# Altium PCB PCB1.PcbDoc
Units mm, origin at the board's own origin, x right, y up, seen from the top; angles counter-clockwise.
Board outline 65.2 x 84.91 mm, 2 copper layers (Top Layer, Bottom Layer); 57 components, 56 nets, 301 pads, 181 vias.
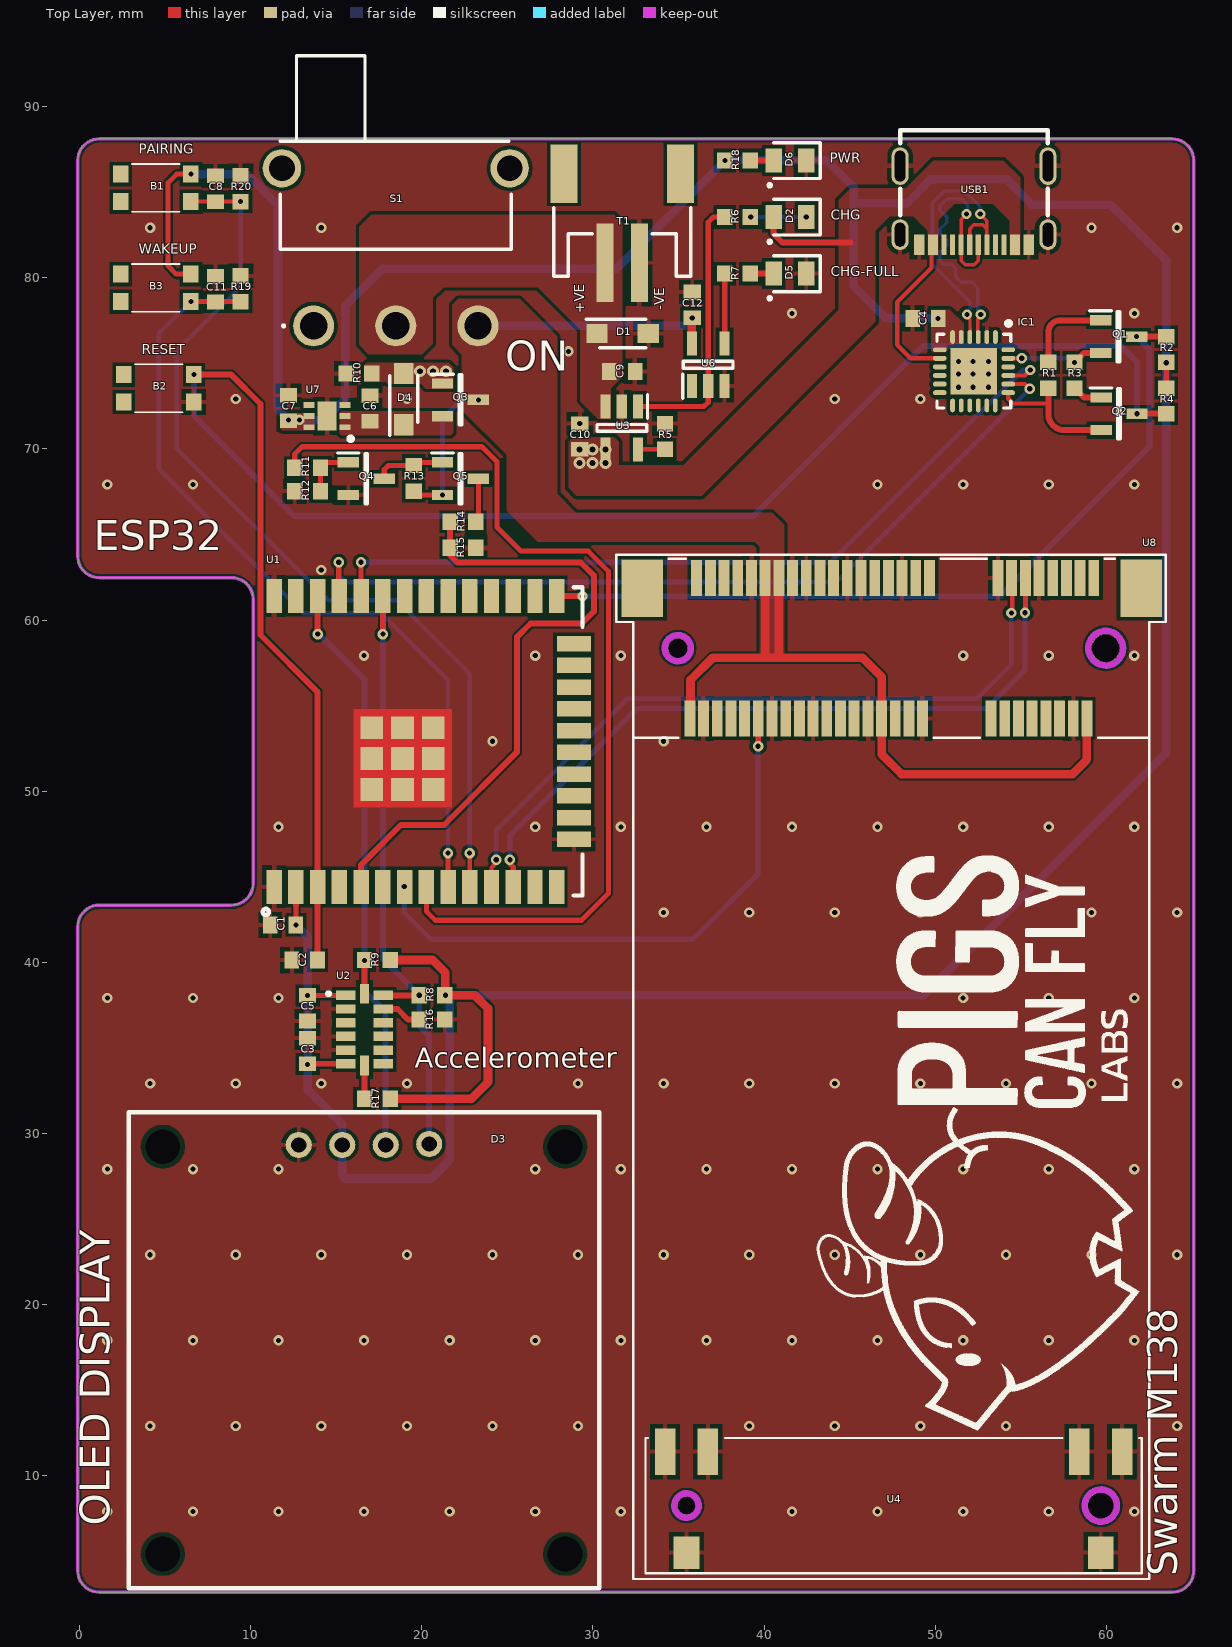
[diagram p0: Top Layer view]
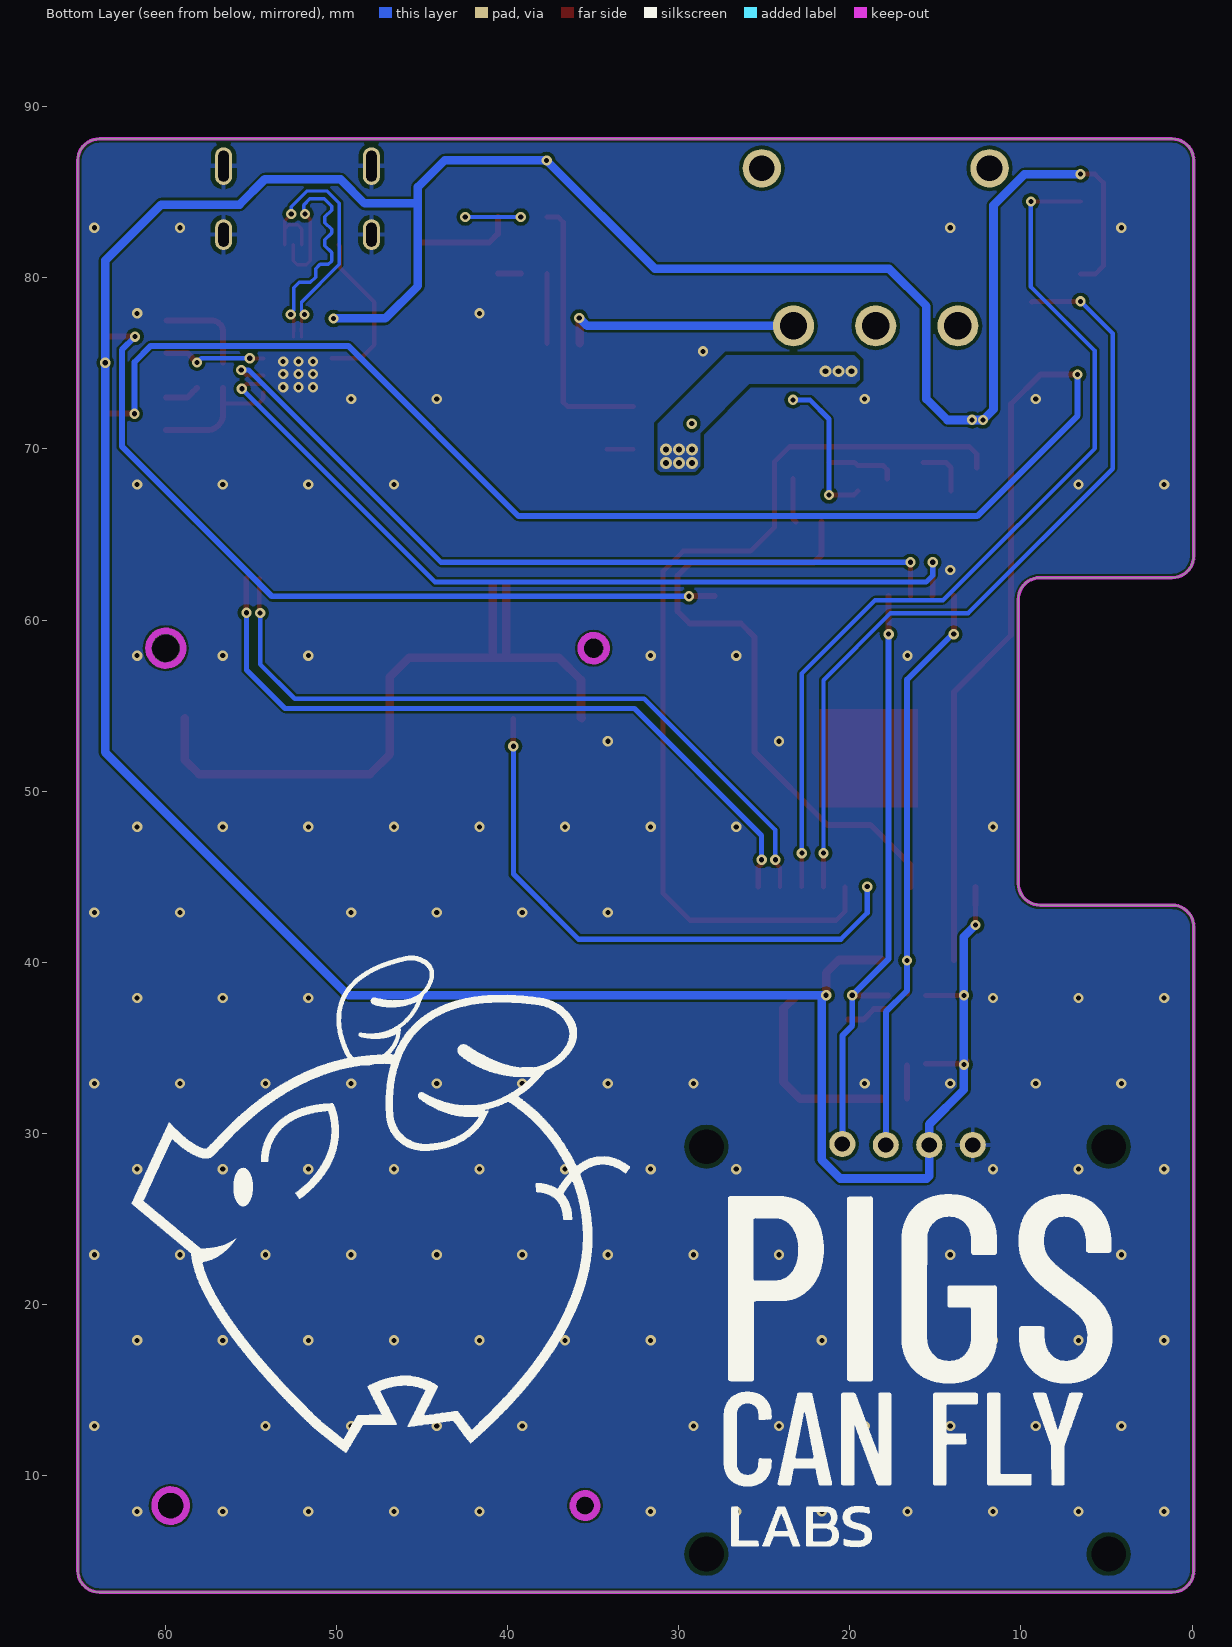
[diagram p1: Bottom Layer view, seen from below]
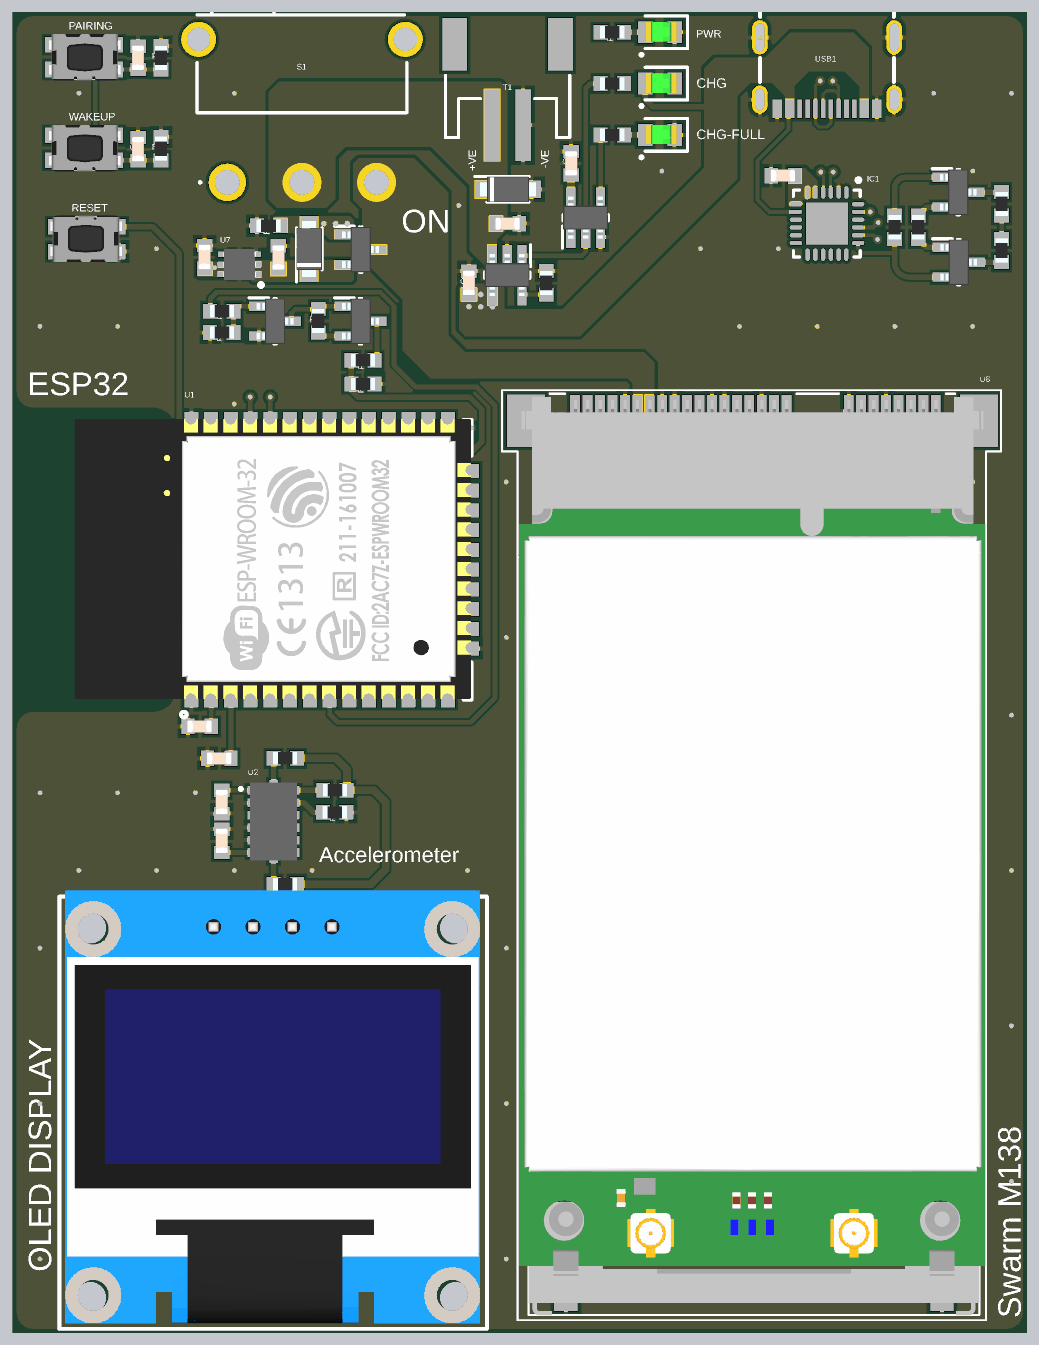
[diagram p2: 3D render of the assembled board from above, using the file's embedded part models]

## Layer stack, top to bottom
Top Solder: solder mask 0.0102, Solder Resist, Dk 3.5
Top Layer: signal copper 0.0356
Dielectric 1: dielectric 0.32, FR-4, Dk 4.8
Bottom Layer: signal copper 0.0356
Bottom Solder: solder mask 0.0102, Solder Resist, Dk 3.5

## Board outline
-0.1,4.472 ccw(c1.17,4.472) 1.17,3.202 63.83,3.202 ccw(c63.83,4.472) 65.1,4.472 65.1,86.843 ccw(c63.83,86.843) 63.83,88.113 1.17,88.113 ccw(c1.17,86.843) -0.1,86.843 -0.1,63.745 ccw(c1.17,63.745) 1.17,62.475 8.88,62.475 cw(c8.88,61.205) 10.15,61.205 10.15,44.62 cw(c8.88,44.62) 8.88,43.35 1.17,43.35 ccw(c1.17,42.08) -0.1,42.08

## Design rules (kind name [scope] priority, off if disabled: settings)
Clearance [All] p1: gap=0.2 ignorepadtopadclearanceinfootprint=FALSE except(0.127: Arc-Arc Arc-Track Arc-SMDPad Arc-Fill Arc-Poly Arc-Region Arc-Text Track-Track Track-SMDPad Track-Fill Track-Poly Track-Region Track-Text SMDPad-SMDPad SMDPad-Text THPad-Text Via-Text Fill-Text Poly-Text Region-Text Text-Text; 0.254: Arc-Hole Track-Hole SMDPad-Hole THPad-Hole Via-Hole Fill-Hole Poly-Hole Region-Hole Text-Hole)
ComponentClearance [All] p1: gap=0.001 collisioncheckmode=3 verticalgap=0.254 showdistances=FALSE
DiffPairsRouting [All] p1: maxlimit=0.254 minlimit=0.25 mostfreqgap=0.254 toplayer_minwidth=0.2 toplayer_maxwidth=0.381 toplayer_prefwidth=0.254 bottomlayer_minwidth=0.2 bottomlayer_maxwidth=0.381 bottomlayer_prefwidth=0.254 maxuncoupledlength=12.7
HoleSize [All] p1: absolutevalues=TRUE maxlimit=6.3 minlimit=0.3 maxpercent=80.000 minpercent=20.000
HoleToHoleClearance [All] p1: gap=0.5 allowstackedmicrovias=TRUE
MinimumSolderMaskSliver [All] p1: minsoldermaskwidth=0.2
PlaneClearance [All] p1: clearance=0.127
PolygonConnect PolygonConnect_1 [All vs IsNamedPolygon('IN_L01_P001') Or IsNamedPolygon('VBAT_IN_L01_P006') Or IsNamedPolygon('VBAT_L01_P003') Or IsNamedPolygon('VBUS_L01_P002')  Or IsNamedPolygon('VBUS_L01_P010') or IsNamedPolygon('+3V3_L01_P014')] p1: connectstyle=Direct reliefconductorwidth=0.254 reliefentries=4 polygonreliefangle="90 Angle" airgapwidth=0.254
PolygonConnect [All] p2: thpad.connectstyle=Relief thpad.reliefconductorwidth=0.254 thpad.reliefentries=4 thpad.polygonreliefangle="90 Angle" thpad.airgapwidth=0.254 smdpad.connectstyle=Relief smdpad.reliefconductorwidth=0.254 smdpad.reliefentries=4 smdpad.polygonreliefangle="90 Angle" smdpad.airgapwidth=0.254 via.connectstyle=Direct via.reliefconductorwidth=0.254 via.reliefentries=4 via.polygonreliefangle="90 Angle" via.airgapwidth=0.254
RoutingVias [All] p1: holewidth=0.2 width=0.45 viastyle="Through Hole" minholewidth=0.3 minwidth=0.5 maxholewidth=5 maxwidth=8
SilkToSilkClearance [All] p1: silktosilkclearance=0
SilkToSolderMaskClearance [IsPad] p1: minsilkscreentomaskgap=0 clearancetoexposedcopper=TRUE
SolderMaskExpansion [All] p1: expansion=0.05 istentingtop=FALSE
Width [All] p1: maxlimit=10 minlimit=0.17 preferedwidth=0.3 minimp=50.000000 maximp=50.000000 favimp=50.000000
22 further rules are at their usual default settings.

## Classes and differential pairs
differential pair de: +D+_P -D-_N

## Components (designator, comment, footprint, x,y, rotation, side; value= is the part's Value field where it differs from the comment)
B1 "Pairing Button" KMR221NGLFS 4.461,85.25 r180 top
B2 "Reset Button" KMR221NGLFS 4.638,73.54 r0 top
B3 "Wakeup Button" KMR221NGLFS 4.461,79.408 r180 top
C1 "CAPC1608N-0.1UF" "0603 Capacitor" 11.895,42.188 r0 top value=0.1uf
C2 "CAPC1608N-0.1UF" "0603 Capacitor" 13.157,40.132 r0 top value=0.1uf
C3 "CAPC1608N-0.1UF" "0603 Capacitor" 13.325,34.825 r270 top value=10uf
C4 "CAPC1608N-0.1UF" "0603 Capacitor" 49.425,77.625 r180 top value=0.1uf
C5 "100n" "0603 Capacitor" 13.325,37.325 r270 top
C6 "1µF" "0603 Capacitor" 16.966,72.36 r90 top
C7 "10u" "0603 Capacitor" 12.217,72.387 r90 top value=1u
C8 "100n" "0603 Capacitor" 7.94,85.2 r90 top
C9 "10u" "0603 Capacitor" 31.711,74.531 r0 top value=1u
C10 "1u" "0603 Capacitor" 29.226,70.724 r90 top value=0.1u
C11 "100n" "0603 Capacitor" 7.94,79.332 r90 top
C12 "0.1uF" "0603 Capacitor" 35.804,78.417 r90 top value=0.1u
D1 "MBR120" SODFL3616X98N 31.736,76.741 r0 top
D2 "ORANGE" LED 41.595,83.37 r270 top
D3 "0.96\" i2c Olded Display" "i2c display" 15.967,17.169 r0 top
D4 "MBR120" SODFL3616X98N 18.948,72.912 r90 top
D5 "ORANGE" LED 41.595,80.068 r270 top value=GREEN
D6 "ORANGE" LED 41.595,86.672 r270 top value=RED
IC1 "CP2104-F03-GMR" cp2104 52.248,74.539 r180 top
Q1 "MMBT2222ALT1G" SOT96P237X111-3N 60.709,76.558 r0 top
Q2 "MMBT2222ALT1G" SOT96P237X111-3N 60.736,72.054 r0 top
Q3 "DMG3415U" SOT96P237X111-3N 22.258,72.865 r0 top
Q4 "2N7002,215" SOT96P237X111-3N 16.755,68.257 r0 top
Q5 "BSS48" SOT96P237X111-3N 22.258,68.257 r0 top
R1 "10k 0603" RES0603 56.607,74.302 r270 top
R2 "10k 0603" RES0603 63.494,75.808 r90 top
R3 "10k 0603" RES0603 58.131,74.302 r90 top
R4 "10k 0603" RES0603 63.494,72.804 r270 top
R5 "10K" RES0603 34.204,70.724 r90 top value=1.5K
R6 "1K" RES0603 38.446,83.545 r180 top
R7 "1K" RES0603 38.446,80.243 r180 top
R8 "4k7 0603" RES0603 20.602,38.082 r180 top value=4k7
R9 "4k7 0603" RES0603 17.403,40.139 r180 top value=4k7
R10 "100K" RES0603 16.331,74.404 r0 top
R11 "4K7" RES0603 13.331,68.901 r180 top
R12 "100K" RES0603 13.331,67.53 r180 top
R13 "100K" RES0603 19.531,68.28 r90 top
R14 "330K" RES0603 22.406,65.743 r180 top value=100K
R15 "100K" RES0603 22.406,64.219 r0 top value=100k
R16 "10k 0603" RES0603 20.59,36.66 r180 top
R17 "10k 0603" RES0603 17.403,32.037 r180 top
R18 "1K" RES0603 38.446,86.847 r180 top
R19 "10k 0603" RES0603 9.414,79.357 r90 top
R20 "10k 0603" RES0603 9.414,85.2 r90 top
S1 "SS-12D11G5R (BAT Slide Switch)" SS12D11G5R 13.681,77.189 r0 top
T1 "Battery Connector" "Battery Connector" 31.677,82.799 r0 top
U1 "ESP32-WROOM-32__16MB_" ESP32 18.888,51.84 r180 top
U2 "ADXL345BCCZ-RL" ADXL345BCCZRL 16.653,36.075 r0 top
U3 "MCP73831-2-OT" SOT95P270X145-5N 31.686,71.224 r270 top
U4 "Component_2" m.2 59.672,8.265 r180 top
U6 "NOT GATE" SOT95P270X145-5N 36.734,74.917 r90 top
U7 "NCV8187AMT330TAG" SON65P200X200X80-7N 14.469,71.915 r180 top
U8 "SWARM_M138_mPCIe_2.005\"_VHF" RF_VHF_JAE_MM60-52B1-B1-R850_MM60-EZH039-B5-R850_w_2005_mPCIe_card 59.96,58.354 r180 top
USB1 "GT-USB-7010B" "type c" 51.882,85.123 r180 top

## Footprints (in the part's own frame and the unit in brackets; to place one, negate y for a bottom-side part, rotate by r counter-clockwise, add the part's x,y. Pads: shape width x height; smd on the part's side, far side on the other; paste and mask are expansions set on the pad)
"0603 Capacitor" [mm]
  rect 0.85x1 smd: 1(-0.75,0) 2(0.75,0)
  body extent -0.8,-0.4 0.8,0.4, height 0.81
ADXL345BCCZRL [mm]
  rect 1.145x0.55 smd: 1(-1.097,2) 2(-1.097,1.2) 3(-1.097,0.4) 4(-1.097,-0.4) 5(-1.097,-1.2) 6(-1.097,-2) 8(1.097,-2) 9(1.097,-1.2) 10(1.097,-0.4) 11(1.097,0.4) 12(1.097,1.2) 13(1.097,2)
  rect 0.55x1.145 smd: 7(0,-2.098) 14(0,2.098)
  silkscreen extent -2.2,2 -2,2.2, body extent -1.5,-2.5 1.5,2.5, height 1.1
"Battery Connector" [mm]
  rect 1x4.6 smd: 1(-0.965,-1.922) 2(1.035,-1.922)
  rect 1.6x3.4 smd: NC1(-3.365,3.278) NC2(3.435,3.278)
  silkscreen extent -3.97,-2.72 4.03,1.28
cp2104 [mm]
  oval 0.28x0.8 smd: 1(-1.263,-1.999) 2(-0.763,-1.999) 3(-0.263,-1.999) 4(0.237,-1.999) 5(0.737,-1.999) 6(1.237,-1.999) 13(1.237,2.001) 14(0.737,2.001) 15(0.237,2.001) 16(-0.263,2.001) 17(-0.763,2.001) 18(-1.255,2.001)
  oval 0.8x0.28 smd: 7(1.987,-1.248) 8(1.987,-0.749) 9(1.987,-0.248) 10(1.987,0.251) 11(1.987,0.752) 12(1.987,1.251) 19(-2.013,1.251) 20(-2.013,0.752) 21(-2.013,0.251) 22(-2.013,-0.248) 23(-2.013,-0.749) 24(-2.013,-1.248)
  rect 2.7x2.7 smd: 25(0,0.001)
  silkscreen extent -2.29,-3.05 2.15,2.15
ESP32 [mm]
  rect 0.9x2 smd: 1(7.513,7.433) 2(6.243,7.433) 3(4.973,7.433) 4(3.703,7.433) 5(2.433,7.433) 6(1.163,7.433) 7(-0.107,7.433) 8(-1.377,7.433) 9(-2.647,7.433) 10(-3.917,7.433) 11(-5.187,7.433) 12(-6.457,7.433) 13(-7.727,7.433) 14(-8.997,7.433) 25(-8.997,-9.567) 26(-7.727,-9.567) 27(-6.457,-9.567) 28(-5.187,-9.567) 29(-3.917,-9.567) 30(-2.647,-9.567) 31(-1.377,-9.567) 32(-0.107,-9.567) 33(1.163,-9.567) 34(2.433,-9.567) 35(3.703,-9.567) 36(4.973,-9.567) 37(6.243,-9.567) 38(7.513,-9.567)
  rect 2x0.9 smd: 15(-9.997,4.648) 16(-9.997,3.378) 17(-9.997,2.108) 18(-9.997,0.838) 19(-9.997,-0.432) 20(-9.997,-1.702) 21(-9.997,-2.972) 22(-9.997,-4.242) 23(-9.997,-5.512) 24(-9.997,-6.782)
  rect 1.33x1.33 smd: 39(1.813,1.733) 40(0.013,1.733) 41(-1.787,1.733) 42(1.813,-0.067) 43(0.013,-0.067) 44(-1.787,-0.067) 45(1.813,-1.867) 46(0.013,-1.867) 47(-1.787,-1.867)
  silkscreen extent -10.5,-10.07 8.18,9.07, body extent -10.46,-10.12 15.04,7.88
"i2c display" [mil]
  round 60 hole 35: 1(-124.21,479.01) 2(-24.21,479.01) 3(75.79,479.01) 4(175.79,481.14)
  round 60 / inner round 100 / far side round 60 hole 80 unplated: ""(-436.81,-461.93) ""(-436.81,475.07) ""(488.39,-461.93) ""(488.39,475.07)
  silkscreen extent -516,-541 567,554, body extent -501,-527 551,570, height 208
KMR221NGLFS [mm]
  rect 0.9x1 smd: 1(-2.05,-0.8) 2(2.05,-0.8) 3(2.05,0.8) 4(-2.05,0.8)
  silkscreen extent -1.4,-1.4 1.4,1.4, body extent -2.35,-1.48 2.25,1.52, height 2.1
LED [mm]
  rect 1.4x0.95 smd: 1(-0.175,0.866) 2(-0.175,-1.034)
  silkscreen extent -1.22,-1.33 1.33,1.69, body extent -0.82,-1 0.43,1, height 1.1
m.2 [mm]
  rect 1.5x1.9 smd: S1_1(0.009,2.751) S2_1(24.209,2.751)
  rect 1.2x2.7 smd: S1_2(-1.241,-3.149) S1_3(1.259,-3.149) S2_2(22.959,-3.149) S2_3(25.459,-3.149)
  round 1.55 hole 1.55 unplated mask+0.102: ""(0.009,0.001)
  round 1.05 hole 1.05 unplated: ""(24.209,0.001)
  Keep-Out Layer circle w0.381: c0,0 r0.94
  Keep-Out Layer circle w0.381: c24.206,0 r0.711
  silkscreen extent -2.39,-3.95 26.61,3.95, body extent -2.39,-3.92 26.61,3.98, height 4.7
RES0603 [mm]
  rect 0.9x0.95 smd: 1(-0.75,0) 2(0.75,0)
  body extent -0.77,-0.4 0.77,0.4, height 0.55
RF_VHF_JAE_MM60-52B1-B1-R850_MM60-EZH039-B5-R850_w_2005_mPCIe_card [mil]
  rect 25x83 smd: 1(27.56,-161.41) 2(43.31,161.42) 3(59.05,-161.41) 4(74.8,161.42) 5(90.55,-161.41) 6(106.3,161.42) 7(122.05,-161.41) 8(137.8,161.42) 9(153.54,-161.41) 10(169.29,161.42) 11(185.04,-161.41) 12(200.79,161.42) 13(216.53,-161.41) 14(232.28,161.42) 15(248.03,-161.41) 16(263.78,161.42) 17(405.51,-161.41) 18(421.26,161.42) 19(437.01,-161.41) 20(452.76,161.42) 21(468.5,-161.41) 22(484.25,161.42) 23(500,-161.41) 24(515.75,161.42) 25(531.5,-161.41) 26(547.24,161.42) 27(562.99,-161.41) 28(578.74,161.42) 29(594.49,-161.41) 30(610.24,161.42) 31(625.98,-161.41) 32(641.73,161.42) 33(657.48,-161.41) 34(673.23,161.42) 35(688.98,-161.41) 36(704.72,161.42) 37(720.47,-161.41) 38(736.22,161.42) 39(751.97,-161.41) 40(767.72,161.42) 41(783.46,-161.41) 42(799.21,161.42) 43(814.96,-161.41) 44(830.71,161.42) 45(846.46,-161.41) 46(862.2,161.42) 47(877.95,-161.41) 48(893.7,161.42) 49(909.45,-161.41) 50(925.2,161.42) 51(940.94,-161.41) 52(956.69,161.42)
  rect 96x132 smd: 53(-81.69,-137.79) 54(1065.94,-137.79)
  round 64.02 hole 64 unplated: ""(0,0)
  round 44.02 hole 44 unplated: ""(984.25,0)
  Keep-Out Layer circle w15: c0,0 r40
  Keep-Out Layer circle w15: c984.25,0 r30
  silkscreen extent -138,-215 1126,2141, body extent -98,-198 1083,2003, height 272
SODFL3616X98N [mm]
  rect 1.24x1.12 smd: 1(-1.5,0) 2(1.5,0)
  silkscreen extent -2.12,-0.82 1.35,0.82, body extent -1.8,-0.82 1.8,0.82, height 0.98
SON65P200X200X80-7N [mm]
  rect 0.65x0.35 smd: 1(-1.05,0.65) 2(-1.05,0) 3(-1.05,-0.65) 4(1.05,-0.65) 5(1.05,0) 6(1.05,0.65)
  rect 1.1x1.7 smd: 7(0,0)
  silkscreen extent -1.5,1.2 -1.25,1.45, body extent -1.05,-1 1.05,1, height 0.8
SOT95P270X145-5N [mm]
  rect 1.4x0.6 smd: 1(-1.25,0.95) 2(-1.25,0) 3(-1.25,-0.95) 4(1.25,-0.95) 5(1.25,0.95)
  silkscreen extent -1.95,-1.45 0.2,1.5, body extent -1.35,-1.45 1.35,1.45, height 1.45
SOT96P237X111-3N [mm]
  rect 1.25x0.6 smd: 1(-1.05,0.955) 2(-1.05,-0.955) 3(1.05,0)
  silkscreen extent -1.68,-1.46 0.08,1.51, body extent -1.18,-1.46 1.18,1.46, height 1.11
SS12D11G5R [mm]
  round 2.4 hole 1.6: 1(0,0) 2(4.8,0) 3(9.6,0)
  round 2.25 hole 1.5: MH1(-1.85,9.2) MH2(11.45,9.2)
  silkscreen extent -1.95,-0.05 11.55,15.78
"type c" [mm]
  rect 0.6x1.2 smd: 1(-3.579,3.203) 2(-2.779,3.203) 11(2.021,3.203) 12(2.821,3.203)
  rect 0.3x1.2 smd: 3(-2.129,3.203) 4(-1.629,3.203) 5(-1.129,3.203) 6(-0.629,3.203) 7(-0.129,3.203) 8(0.371,3.203) 9(0.871,3.203) 10(1.371,3.203)
  oval 1x1.8 hole 0.6 slot 1.4 at 90 deg: 13(-4.699,2.603) 14(3.941,2.603)
  oval 1x2.2 hole 0.6 slot 1.8 at 90 deg: 15(-4.699,-1.397) 16(3.941,-1.397)
  silkscreen extent -4.68,-3.5 3.92,1.47

## Part data
B1 B2 B3: library part Button, LCSC Part Number=C269272, Manufacturer_Part_Number=KMR221NGLFS
C1 C2 C3 C4: "CAP CER 0.1UF 25V X7R 0603", Manufacturer_Name="TDK Corporation", Manufacturer_Part_Number=CGA3E2X7R1E104K080AA, Mouser Part Number=963-TMF212B7104KGHT, Mouser Price/Stock=https://www2.mouser.com/ProductDetail/Taiyo-Yuden/TMF212B7104KGHT?qs=%252B6g0mu59x7Jv7XISa3hIWA%3D%3D, PCB DECAL=CAPC1608X55N
C5 C8 C11: library part 100n_0603, Manufacturer=KEMET, Part Number=C0603C104J5RACTU, Generic Part=no
C6: library part CAP_CERAMIC0805-NOOUTLINE, "Ceramic Capacitors   For new designs, use the packages preceded by an '_' character since they are more reliable:   The following footprints should be used on most boards: _0402 - Standard footprint for regular board layouts  _0603 - Standard footprint for regular board layouts  _0805 - Standard footprint for regular board layouts  _1206 - Standard footprint for regular board layouts       For extremely tight-pitch boards where space is at a premium, the following 'micro-pitch' footprints can be used (smaller pads, no silkscreen outline, etc.): _0402MP - Micro-pitch footprint for very dense/compact boards  _0603MP - Micro-pitch footprint for very dense/compact boards  _0805MP - Micro-pitch footprint for very dense/compact boards  _1206MP - Micro-pitch footprint for very dense/compact boards", COMPANY="ADAFRUIT INDUSTRIES", DRAWN=KTOWN, REV=B
C7 C9 C10 C12: library part 10u_0603, Manufacturer=KEMET, Part Number=C0603C106M9PACTU, Generic Part=no
D1 D4: library part MBR0520, LCSC Part Number=C81143, Manufacturer=ON, Manufacturer_Part_Number=LMBR120FT1G, Generic Part=no
D2 D6: library part LED, Manufacturer=Kingbright, Manufacturer_Part_Number=APT1608SECK, Generic Part=yes
D3: library part "Header 4", "Header, 4-Pin", LatestRevisionDate=17-Jul-2002, LatestRevisionNote="Re-released for DXP Platform.", Publisher="Altium Limited"
D5: library part LED, Manufacturer=Kingbright, Part Number=APT1608SECK, Generic Part=yes
IC1: library part CP2104, "CP2104 - USB to UART Bridge    VDD Output: 3.45V", LCSC Part Number=C47742, VIO:1.8-VDD
Op.Temp:-40~85°C="VIO: 1.8-VDD  / Op. Temp: -40~85°C", COMPANY="ADAFRUIT INDUSTRIES", DRAWN=KTOWN, Manufacturer_Part_Number=CP2104-F03-GMR, REV=B
Q1 Q2: "Integrated Circuit", LCSC Part Number=C82460, Manufacturer_Name="ON Semiconductor", Mouser Part Number=863-MMBT2222ALT1G, Arrow Part Number=MMBT2222ALT1G, Arrow Price/Stock=https://www.arrow.com/en/products/mmbt2222alt1g/on-semiconductor, Datasheet Link=http://www.onsemi.com/pub/Collateral/MMBT2222LT1-D.PDF, Height=1.11mm, Manufacturer_Part_Number=MMBT2222ALT1G, Mouser Price/Stock=https://www.mouser.co.uk/ProductDetail/ON-Semiconductor/MMBT2222ALT1G?qs=HVbQlW5zcXWwnD7Jokybqg%3D%3D
Q3: library part MOSFET-P, "P-Channel Mosfet   LEGEND   VDS: Voltage Drain-Source ID: Drain Current RDS(ON): Drain-Source On-State Resistance VGS(TH): Gate-Source Threshold Voltage CISS: Drain-Source Input Capacitance    SOT-23   Name	VDS	ID	RDS(ON)	VGS(TH)	CISS	Order Number	   IRLML5103	30V	760mA	600 mOhm	--	75pF @ 25V	Digikey: IRLML5103PBFCT-ND	   IRLML6401	12V	4.3A	50 mOhm	950mV @ 250µA	830pF @ 10V	Digikey: IRLML6401PBFTR-ND	   NTR0202PL	20V	400mA	800 mOhm	2.3V @ 250uA	70pF @ 5V	Digikey: NTR0202PLT1GOSTR-ND	   NTR4101PT1G	20V	1.8A	85 mOhm	1.2V @ 250uA	675pF @ 10V	Digikey: NTR4101PT1GOSCT-ND	   DMP2004K	20V	600mA	900 mOhm	1V @ 250uA	175pF @ 16V	Digikey: DMP2004KDICT-ND	   PMV65XP	20V	3.9A	76 mOhm	950mV @ 1mA	725pF @ 20V	Digikey: 568-2358-2-ND	   							   							TO-252   Name	VDS	ID	RDS(ON)	VGS(TH)	CISS	Order Number	   AOD417	30V	25A	34 mOhm	3V @ 250µA	920pF @ 15V	Digikey: 785-1106-2-ND	PowerPak   Name	VDS	ID	RDS(ON)	VGS(TH)	CISS	Order Number	   AON7401	30V	12A	14 mOhm	3V @ 250µA	2600pF @ 15V	Digikey: 785-1302-1-ND", LCSC Part Number=C709946, Manufacturer_Part_Number=DMG3415U-7, COMPANY="ADAFRUIT INDUSTRIES", D=D, DRAWN=KTOWN, G=G, REV=B, S=S
Q4: library part 2N7002
Q5: library part BSS84
R1 R2 R3 R4 R16 R17 R19 R20: library part RGA1608P-103-B-T1, "Resistor", Manufacturer_Name=Susumu, Mouser Part Number=754-RGA1608P-103BT1, Arrow Part Number=RGA1608P-103-B-T1, Datasheet Link=https://componentsearchengine.com/Datasheets/1/RGA1608P-103-B-T1.pdf, Height=0.55mm, Manufacturer_Part_Number=RGA1608P-103-B-T1, Mouser Price/Stock=https://www.mouser.co.uk/ProductDetail/Susumu/RGA1608P-103-B-T1?qs=bZr6mbWTK5mMUuFD5Afdcw%3D%3D
R5: library part 10K_0603, Manufacturer=Vishay, Manufacturer_Part_Number=CRCW060310K0FKEAHP, Generic Part=no
R6 R18: library part 1K_0603, Manufacturer=Vishay, Manufacturer_Part_Number=CRCW06031K00FKEAHP, Generic Part=no
R7: library part 1K_0603, Manufacturer=Vishay, Part Number=CRCW06031K00FKEAHP, Generic Part=no
R8 R9: library part 10K_0603, Manufacturer=Vishay, Part Number=CRCW060310K0FKEAHP, Generic Part=no
R10: library part RESISTOR_0603_NOOUT, "Resistors   For new designs, use the packages preceded by an '_' character since they are more reliable:   The following footprints should be used on most boards: _0402 - Standard footprint for regular board layouts  _0603 - Standard footprint for regular board layouts  _0805 - Standard footprint for regular board layouts  _1206 - Standard footprint for regular board layouts       For extremely tight-pitch boards where space is at a premium, the following 'micro-pitch' footprints can be used (smaller pads, no silkscreen outline, etc.): _0402MP - Micro-pitch footprint for very dense/compact boards  _0603MP - Micro-pitch footprint for very dense/compact boards  _0805MP - Micro-pitch footprint for very dense/compact boards  _1206MP - Micro-pitch footprint for very dense/compact boards", COMPANY="ADAFRUIT INDUSTRIES", DRAWN=KTOWN, REV=B
R11: library part 4K7_0603, Manufacturer=Vishay, Part Number=CRCW06034K70FKEAHP, Generic Part=no
R12 R13 R15: library part 100K_0603, Manufacturer=Vishay, Part Number=CRCW0603100KFKEAHP, Generic Part=no
R14: library part 330K_0603, Manufacturer=Vishay, Part Number=CRCW0603330KFKEAHP, Generic Part=no
S1: library part SS-12D11G5R, "Switch", Manufacturer_Name="XKB Connectivity", Datasheet Link=http://www.helloxkb.com/public/images/pdf/SS-12D11G5R-.pdf, Height=6.8mm, Manufacturer_Part_Number=SS-12D11G5R
U1: "Integrated Circuit", Arrow Part Number="ESP32-WROOM-32 (16MB)", LCSC Part Number=C529578, Manufacturer_Name="Espressif Systems", Mouser Part Number=356-ESPWROOM3216MB, Datasheet Link=https://www.espressif.com/sites/default/files/documentation/esp32_datasheet_en.pdf, Height=3.2mm, Manufacturer_Part_Number="ESP32-WROOM-32 (16MB)", Mouser Price/Stock=https://www.mouser.co.uk/ProductDetail/Espressif-Systems/ESP32-WROOM-32-16MB?qs=w%2Fv1CP2dgqrcPyEPuQvO1A%3D%3D
U2: "Integrated Circuit", Manufacturer_Name="Analog Devices", Mouser Part Number=584-ADXL345BCCZ-R, Arrow Part Number=ADXL345BCCZ-RL, Arrow Price/Stock=https://www.arrow.com/en/products/adxl345bccz-rl/analog-devices?region=nac, Datasheet Link=https://www.analog.com/media/en/technical-documentation/data-sheets/ADXL345.pdf, Height=1mm, Manufacturer_Part_Number=ADXL345BCCZ-RL, Mouser Price/Stock=https://www.mouser.co.uk/ProductDetail/Analog-Devices/ADXL345BCCZ-RL?qs=WIvQP4zGangSXrz9XHbgiA%3D%3D
U3: Manufacturer="Microchip Technology", Manufacturer_Part_Number=MCP73831T-2ACI/OT, Generic Part=no
U6: library part SN74LVC1G04DBVR, "Integrated Circuit", LCSC Part Number=C7827, Manufacturer_Name="Texas Instruments", Mouser Part Number=595-SN74LVC1G04DBVR, Arrow Part Number=SN74LVC1G04DBVR, Arrow Price/Stock=https://www.arrow.com/en/products/sn74lvc1g04dbvr/texas-instruments, Datasheet Link=http://www.ti.com/lit/gpn/sn74lvc1g04, Height=1.45mm, Manufacturer_Part_Number=SN74LVC1G04DBVR, Mouser Price/Stock=https://www.mouser.co.uk/ProductDetail/Texas-Instruments/SN74LVC1G04DBVR?qs=AMJt07B76utiScZvQx5a7w%3D%3D
U7: "Integrated Circuit", Manufacturer_Name="ON Semiconductor", Mouser Part Number=863-NCV8187AMT330TAG, Arrow Part Number=NCV8187AMT330TAG, Arrow Price/Stock=https://www.arrow.com/en/products/ncv8187amt330tag/on-semiconductor?region=nac, Datasheet Link=https://www.onsemi.com/pdf/datasheet/ncv8187-d.pdf, Height=0.8mm, Manufacturer_Part_Number=NCV8187AMT330TAG, Mouser Price/Stock=https://www.mouser.co.uk/ProductDetail/onsemi/NCV8187AMT330TAG?qs=%252B6g0mu59x7JkSKBMOiGIwA%3D%3D
U8: "SWARM M138 MODEM mPCIe 2.005\" (50.925mm) x 1.18\" (30mm)  Two part connector", MANUF1=JAE, MANUF1 P/N="A: MM60-52B1-B1-R850 B: MM60-EZH039-B5-R850", TEMP="-40°C ~ 85°C", Size=mPCIe, SPECIAL_INSTRUCTIONS="A: MM60-52B1-B1-R850 B: MM60-EZH039-B5-R850", Supplier=Digikey, Supplier P/N="A: 670-2274-2-ND B: 670-2276-2-ND", Type=CONN
USB1: BOM_JLCPCB Part Class="Extended Part", BOM_Manufacturer=G-Switch(品赞), BOM_Manufacturer Part=GT-USB-7010B, BOM_Supplier=LCSC, BOM_Supplier Part=C2837092, Contributor=LCSC, spicePre=U, spiceSymbolName=GT-USB-7010B

## Via types
v1: diameter 0.6, hole 0.3, Top Layer to Bottom Layer, tented both sides, 172 vias
v2: diameter 0.7, hole 0.35, Top Layer to Bottom Layer, tented both sides, 9 vias

## Nets (pads, with @x,y where several pads share a name; then routed paths per layer and width w, separated by ;. In a path a pad name is that pad's centre, name@x,y a point inside that pad or via, vN(x,y) a via of type N, cw(c..) or ccw(c..) an arc to the next point about the centre after c; other vN are vias at no path point)
+3V3: B1.1 B3.1 C1.2 C3.2 C4.1 C5.1 C7.1 D3.2 IC1.5 IC1.6 IC1.7 R2.1 R4.1 R8.1 R9.1 R17.1 R18.2 U1.2 U2.1 U2.6 U7.5 U7.6 | length 237.6
  Top Layer w0.3: B3.1 5.659,80.208 5.182,80.685 5.182,85.547 5.684,86.05 v1(6.511,86.05) ; v1(12.645,42.188) 12.645,43.312 ; C3.2@13.15,34.25 C3.2 U2.6 ; v1(13.325,38.075) U2.1 ; R4.1 v1(63.494,75.033) R2.1
  Top Layer w0.35: 12.645,43.312 U1.2
  Top Layer w0.5: R17.1 22.912,32.037 23.867,32.992 23.867,37.313 23.098,38.082 v1(21.377,38.082) 21.377,39.398 20.636,40.139 R9.1
  Bottom Layer w0.5: v1(6.511,86.05) 9.789,86.05 11.6,84.238 11.6,72.303 v1(12.217,71.687) 12.844,71.687 v1(12.854,71.697) 12.864,71.687 14.291,71.687 15.519,72.915 15.519,78.344 17.7,80.525 31.379,80.525 v1(37.708,86.854) 43.671,86.854 45.225,85.3 45.225,84.341 ; v1(12.645,42.188) 13.325,41.507 v1(13.325,38.075) v1(13.325,34.025) 13.325,32.575 15.352,30.548 D3.2 15.352,27.521 15.498,27.375 20.55,27.375 21.644,28.469 21.644,37.815 v1(21.377,38.082) 49.307,38.082 63.494,52.269 v1(63.494,75.033) 63.494,81.006 60.225,84.275 55.65,84.275 54.175,85.75 49.75,85.75 48.341,84.341 45.225,84.341 ; v1(50.158,77.62) 47.13,77.62 45.225,79.525 45.225,84.341
CHG_FULL: R7.2 U6.4 | length 4.1
  Top Layer w0.3: U6.4 37.696,76.167 R7.2
CLK: U1.20
CMD: U1.19
D+_P: IC1.3 USB1.6 USB1.8 | length 17.5
  Top Layer w0.2: v1(51.829,83.718) 51.511,83.401 USB1.8 51.511,81.001 51.756,80.756 52.274,80.756 52.511,80.993 USB1.6 ; IC1.3 52.496,76.553 52.496,76.869 52.488,76.877 52.488,77.244 52.481,77.251 52.481,77.592 52.654,77.765 v1(52.654,77.851)
  Bottom Layer w0.2: v1(51.829,83.718) 51.895,83.785 51.895,84.251 51.535,84.611 50.709,84.611 50.267,84.169 50.267,83.947 50.661,83.552 50.661,83.224 50.267,82.829 50.267,82.614 50.661,82.22 50.661,81.869 50.267,81.474 50.267,80.975 50.463,80.778 50.946,80.778 51.206,80.518 51.206,80.035 51.511,79.731 52.172,79.731 52.481,79.421 52.481,78.11 52.654,77.937 v1(52.654,77.851)
D-_N: IC1.4 USB1.5 USB1.7 | length 17.8
  Top Layer w0.2: v1(51.854,77.851) 51.854,77.765 52.027,77.592 52.027,77.063 52.034,77.056 52.034,76.877 52.026,76.869 52.026,76.553 IC1.4 ; USB1.7 52.011,82.847 52.248,83.083 52.767,83.083 53.011,82.839 USB1.5 53.011,83.081 ; v1(52.629,83.718) 53.011,83.336 53.011,83.081 ; 53.009,83.083 53.011,83.081
  Bottom Layer w0.2: v1(51.854,77.851) 51.854,77.937 52.027,78.11 52.027,78.573 49.813,80.787 49.813,84.357 50.521,85.065 51.723,85.065 52.629,84.159 v1(52.629,83.718)
DTR: IC1.23 Q1.2 R3.2 | length 6
  Top Layer w0.25: IC1.23 55.043,75.287 v1(55.049,75.293)
  Top Layer w0.35: v1(58.131,75.052) 58.156,75.052 58.431,75.327 58.431,75.352 58.681,75.603 Q1.2@59.909,75.603
  Bottom Layer w0.25: v1(55.049,75.293) 57.89,75.293 v1(58.131,75.052)
EN: B2.3 C2.2 Q2.3 R4.2 U1.3 | length 107.6
  Top Layer w0.35: v1(6.688,74.34) 8.86,74.34 10.575,72.625 10.575,59.128 13.915,55.789 U1.3 13.915,40.139 C2.2 ; v1(61.786,72.054) R4.2
  Bottom Layer w0.35: v1(6.688,74.34) 6.688,71.937 12.55,66.075 39.35,66.075 49.275,76 60.859,76 61.786,75.073 v1(61.786,72.054)
GND: B2.2 C1.1 C2.1 C3.1 C4.2 C5.2 C6.2 C7.2 C8.2 C9.2 C10.2 C11.2 C12.2 D1.2 D3.1 D5.1 D6.1 IC1.2 IC1.25 Q4.2 R5.2 R10.1 R12.2 R15.2 R16.1 R19.2 R20.2 T1.2 U1.1 U1.15 U1.38 U1.39 U1.40 U1.41 U1.42 U1.43 U1.44 U1.45 U1.46 U1.47 U2.2 U2.4 U2.5 U3.2 U4.S1_1 U4.S1_2 U4.S1_3 U4.S2_1 U4.S2_2 U4.S2_3 U6.3 U7.3 U7.7 U8.4 U8.9 U8.15 U8.18 U8.21 U8.26 U8.27 U8.29 U8.34 U8.35 U8.37 U8.40 U8.43 U8.50 USB1.1 USB1.12 USB1.13 USB1.14 USB1.15 USB1.16
  other v1: 1.629,7.92 6.629,7.92 11.629,7.92 16.629,7.92 21.629,7.92 26.629,7.92 31.629,7.92 41.629,7.92 46.629,7.92 51.629,7.92 56.629,7.92 61.629,7.92 4.129,12.92 9.129,12.92 14.129,12.92 19.129,12.92 24.129,12.92 29.129,12.92 39.129,12.92 44.129,12.92 49.129,12.92 54.129,12.92 64.129,12.92 1.629,17.92 6.629,17.92 11.629,17.92 16.629,17.92 21.629,17.92 26.629,17.92 31.629,17.92 36.629,17.92 41.629,17.92 46.629,17.92 51.629,17.92 56.629,17.92 61.629,17.92 4.129,22.92 9.129,22.92 14.129,22.92 19.129,22.92 24.129,22.92 29.129,22.92 34.129,22.92 39.129,22.92 44.129,22.92 49.129,22.92 54.129,22.92 59.129,22.92 64.129,22.92 1.629,27.92 6.629,27.92 11.629,27.92 26.629,27.92 31.629,27.92 36.629,27.92 41.629,27.92 46.629,27.92 51.629,27.92 56.629,27.92 61.629,27.92 4.129,32.92 9.129,32.92 14.129,32.92 19.129,32.92 29.129,32.92 34.129,32.92 39.129,32.92 44.129,32.92 49.129,32.92 54.129,32.92 59.129,32.92 64.129,32.92 1.629,37.92 6.629,37.92 11.629,37.92 51.629,37.92 56.629,37.92 61.629,37.92 34.129,42.92 39.129,42.92 44.129,42.92 49.129,42.92 59.129,42.92 64.129,42.92 11.629,47.92 26.629,47.92 31.629,47.92 36.629,47.92 41.629,47.92 46.629,47.92 51.629,47.92 56.629,47.92 61.629,47.92 24.129,52.92 34.129,52.92 16.629,57.92 26.629,57.92 31.629,57.92 51.629,57.92 56.629,57.92 61.629,57.92 14.129,62.92 1.629,67.92 6.629,67.92 46.629,67.92 51.629,67.92 56.629,67.92 61.629,67.92 29.226,71.474 9.129,72.92 19.129,72.92 44.129,72.92 49.129,72.92 51.35,73.6 52.2,73.6 53.1,73.6 51.35,74.375 52.2,74.375 53.1,74.375 51.35,75.1 52.2,75.1 53.1,75.1 28.575,75.7 41.629,77.92 61.629,77.92 4.129,82.92 14.129,82.92 59.129,82.92 64.129,82.92
IN: C6.1 D4.1 Q3.2 U7.1 U7.2
IO0: Q1.3 R2.2 U1.25 | length 46.7
  Top Layer w0.35: U1.25 29.369,61.407 v1(29.385,61.391) ; v1(61.759,76.558) R2.2
  Bottom Layer w0.35: v1(29.385,61.391) 53.766,61.391 62.525,70.15 62.525,75.791 v1(61.759,76.558)
IO2: U1.24
IO4: U1.26
IO5: U1.29
IO12: U1.14
IO13: U1.16
IO14: U1.13
IO15: U1.23
IO16: U1.27
IO17: U1.28
IO18: U1.30
IO19: U1.31
IO21: D3.4 R8.2 U1.33 U2.13 | length 35
  Top Layer w0.35: v1@17.725,59.375 U1.33 ; U2.13 19.845,38.075 v1(19.852,38.082)
  Bottom Layer w0.35: v1(17.725,59.175) 17.725,40.208 v1(19.852,38.082) 19.852,36.305 20.432,35.725 D3.4
IO22: D3.3 R9.2 U1.36 U2.14 | length 35.7
  Top Layer w0.35: U1.36 13.915,59.185 v1(13.925,59.175) ; U2.14 16.653,40.127 R9.2@16.665,40.139
  Bottom Layer w0.35: v1(13.925,59.175) 13.95,59.15 14.025,59.15 16.653,56.522 16.653,40.127 16.653,38.349 17.892,37.11 D3.3
  other v1: 16.653,40.114
IO23: U1.37
IO25: B1.4 C8.1 R20.1 U1.10 | length 53.9
  Top Layer w0.254: B1.4 C8.1 v1(9.414,84.45) ; v1@22.796,46.344 22.796,44.415 U1.10
  Bottom Layer w0.254: v1(9.414,84.45) 9.414,79.464 5.675,75.725 5.675,70.03 14.553,61.151 18.524,61.151 22.796,56.879 v1@22.796,46.344
  other v1: 22.796,46.382
IO32: R11.2 U1.8 | length 56.3
  Top Layer w0.3: R11.2 12.581,69.706 13,70.125 23.525,70.125 24.4,69.25 24.4,65.425 25.8,64.025 29.725,64.025 30.9,62.85 30.9,44.025 29.333,42.458 20.792,42.458 20.265,42.985 U1.8
IO33: B3.4 C11.1 R19.1 U1.9 | length 47.5
  Top Layer w0.3: v1(6.518,78.62) 6.518,78.615 B3.4 9.337,78.608 R19.1@9.363,78.582 ; U1.9 v1(21.535,46.382)
  Bottom Layer w0.254: v1(6.518,78.62) 4.638,76.741 4.638,68.844 13.075,60.407 17.613,60.407 21.535,56.485 v1(21.535,46.382)
IO34: U1.6
IO35: U1.7 U8.42 | length 33.5
  Top Layer w0.3: v1(18.974,44.425) 18.977,44.425 U1.7 ; v1(39.649,52.629) 39.66,52.639 U8.42
  Bottom Layer w0.3: v1(18.974,44.425) 18.974,42.901 20.523,41.351 35.839,41.351 39.649,45.161 v1(39.649,52.629)
NetD2_1: D2.1 R6.1 | length 3.3
  Top Layer w0.254: R6.1 v1(39.221,83.545)
  Bottom Layer w0.254: v1(39.221,83.545) v1(42.461,83.545)
NetD5_2: D5.2 R7.1 | length 1.4
  Top Layer w0.35: R7.1 D5.2
NetD6_2: D6.2 R18.1 | length 1.4
  Top Layer w0.35: R18.1 D6.2
NetQ1_1: Q1.1 R1.1 | length 5.5
  Top Layer w0.35: R1.1 56.607,76.817 cw(c57.302,76.817) 57.302,77.513 Q1.1@59.909,77.513
NetQ2_1: Q2.1 R3.1 | length 2
  Top Layer w0.35: R3.1 58.156,73.552 58.431,73.277 58.431,73.252 58.674,73.009 Q2.1@59.936,73.009
NetQ4_1: Q4.1 R11.1 R12.1 | length 3.1
  Top Layer w0.3: R12.1 14.081,68.912 14.381,69.212 Q4.1
NetQ4_3: Q4.3 Q5.1 R13.2 | length 4.1
  Top Layer w0.3: Q4.3 17.805,68.783 18.059,69.037 19.524,69.037 R13.2 19.714,69.212 Q5.1
NetQ5_3: Q5.3 R14.1 | length 2.6
  Top Layer w0.3: R14.1 23.308,65.894 Q5.3
NetR5_1: R5.1 U3.5 | length 1.6
  Top Layer w0.254: U3.5 R5.1
NetR16_2: R16.2 U2.12 | length 2.6
  Top Layer w0.35: U2.12 18.579,37.275 19.195,36.66 R16.2@20.094,36.66
NetR17_2: R17.2 U2.7 | length 1.9
  Top Layer w0.35: R17.2 U2.7
RTS: IC1.19 Q2.2 R1.2 | length 9.1
  Top Layer w0.25: IC1.19 54.261,72.925 54.535,72.651 56.607,72.651 R1.2
  Top Layer w0.35: R1.2 56.607,72.651 56.607,72.042 ccw(c57.55,72.042) 57.55,71.099 Q2.2@59.936,71.099
S_RX: U1.12 U8.11 | length 42.6
  Top Layer w0.3: v1(25.146,45.999) 25.146,45.755 25.345,45.557 U1.12 ; v1(55.245,60.427) 55.26,60.441 U8.11
  Bottom Layer w0.3: v1(25.146,45.999) 25.146,47.41 32.568,54.832 52.991,54.832 55.245,57.086 v1(55.245,60.427)
S_TX: U1.11 U8.13 | length 42.6
  Top Layer w0.254: U1.11 24.075,45.534 24.346,45.805 v1(24.346,45.999) ; v1(54.445,60.41) 54.49,60.455 54.49,62.424 U8.13
  Bottom Layer w0.254: v1(24.346,45.999) 24.346,47.741 32.002,55.397 52.426,55.397 54.445,57.417 v1(54.445,60.41)
SD2: U1.17
SD3: U1.18
SDI: U1.22
SDO: U1.21
STAT: R6.2 U3.1 U6.2 | length 15.8
  Top Layer w0.3: U3.1 36.479,72.474 36.734,72.728 36.734,83.245 37.033,83.545 R6.2
SVN: R14.2 R15.1 U1.5 | length 38.9
  Top Layer w0.35: U1.5 16.455,45.705 18.775,48.025 21.3,48.025 25.575,52.3 25.575,59.025 26.35,59.8 29.35,59.8 30.06,60.51 30.06,62.59 29.275,63.375 22.075,63.375 21.656,63.794 R15.1 ; 21.656,65.175 R15.1 ; R14.2 R15.1
SVP: U1.4
U0RX: IC1.21 U1.34 | length 47.1
  Top Layer w0.25: IC1.21 55.225,74.287 v1(55.545,74.607)
  Top Layer w0.3: v1(16.45,63.375) 16.45,61.411 U1.34
  Bottom Layer w0.3: v1(16.45,63.375) 43.883,63.375 55.115,74.607 v1(55.545,74.607)
U0TX: IC1.20 U1.35 | length 49.3
  Top Layer w0.25: IC1.20 55.242,73.787 v1(55.515,73.515)
  Top Layer w0.3: v1(15.15,63.375) 15.15,61.441 U1.35
  Bottom Layer w0.3: v1(15.15,63.375) 15.15,62.6 15.536,62.214 44.213,62.214 v1(55.515,73.515)
VBAT: C12.1 Q3.3 Q5.2 R13.1 S1.3 U6.5 U8.2 U8.24 U8.39 U8.41 U8.52 | length 65.7
  Top Layer w0.3: R13.1 19.759,67.302 v1(21.208,67.302)
  Top Layer w0.5: U8.52 35.7,54.295 35.7,56.5 37,57.8 40.105,57.8 ; U6.5 C12.1@35.784,77.647 ; U8.41@40.06,62.05 40.06,57.845 40.105,57.8 ; U8.39@40.86,62.05 40.86,57.835 40.895,57.8 ; U8.2 58.86,51.835 58.025,51 48.025,51 46.86,52.165 U8.24 46.86,56.69 45.75,57.8 40.895,57.8 ; 40.105,57.8 40.895,57.8
  Bottom Layer w0.3: v1(21.208,67.302) 21.208,71.74 22.333,72.865 v1(23.308,72.865)
  Bottom Layer w0.5: S1.3 35.343,77.189 v1(35.803,77.649)
VBAT_IN: C9.1 D1.1 S1.2 T1.1 U3.3
VBUS: C10.1 D2.2 D4.2 IC1.8 Q3.1 R10.2 U3.4 USB1.2 USB1.11 | length 15.2
  Top Layer w0.254: USB1.11 49.783,81.841 49.783,80.583 47.775,78.575 47.775,76.075 48.562,75.287 IC1.8
  Top Layer w0.35: D2.2 40.561,82.564 41.075,82.05 45.045,82.05
  other v2: 29.226,69.179 29.981,69.179 30.736,69.179 29.226,69.974 29.981,69.974 30.736,69.974 19.89,74.536 20.646,74.536 21.401,74.536
pads on no net: B1.2 B1.3 B2.1 B2.4 B3.2 B3.3 D3. IC1.1 IC1.9 IC1.10 IC1.11 IC1.12 IC1.13 IC1.14 IC1.15 IC1.16 IC1.17 IC1.18 IC1.22 IC1.24 S1.1 S1.MH1 S1.MH2 T1.NC1 T1.NC2 U1.32 U2.3 U2.8 U2.9 U2.10 U2.11 U4. U6.1 U7.4 U8. U8.1 U8.3 U8.5 U8.6 U8.7 U8.8 U8.10 U8.12 U8.14 U8.16 U8.17 U8.19 U8.20 U8.22 U8.23 U8.25 U8.28 U8.30 U8.31 U8.32 U8.33 U8.36 U8.38 U8.44 U8.45 U8.46 U8.47 U8.48 U8.49 U8.51 U8.53 U8.54 USB1.3 USB1.4 USB1.9 USB1.10

## Polygon pours and split planes (outlines as drawn)
GND on Top Layer "GND_L01_P029" (solid, remove dead copper, pour order 29): -0.1,4.472 -0.1,86.843 cw(c1.17,86.843) 1.17,88.113 63.83,88.113 cw(c63.83,86.843) 65.1,86.843 65.1,4.472 cw(c63.83,4.472) 63.83,3.202 1.17,3.202 cw(c1.17,4.472)
VBUS on Top Layer "VBUS_L01_P010" (solid, remove dead copper, pour order 15): 46.5,82.75 47.339,83.589 48.725,83.589 49.561,82.753 49.561,81.32 50.161,81.32 50.161,83.353 51.144,84.336 53.364,84.336 54.361,83.339 54.361,81.32 54.961,81.32 54.961,85.864 53.982,86.843 49.893,86.843 48.275,85.225 45.05,85.225 44.35,84.525 44.35,78.125 35.275,69.05 31.5,69.05 31.5,70.419 31.245,70.674 28.829,70.674 28.575,70.42 28.575,67.725 29.025,67.275 36.355,67.275 46.5,77.42
+3V3 on Top Layer "VBUS_L01_P010" (solid, remove dead copper, pour order 26): 49.846,75.647 50.587,75.647 51.077,76.138 51.651,76.138 51.651,77.333 50.857,78.126 49.75,78.126 49.75,75.744
+3V3 on Top Layer "+3V3_L01_P014" (solid, remove dead copper, pour order 14): 13.744,71.09 13.744,72.09 11.744,72.09 11.717,72.062 11.717,71.212 11.839,71.09
VBAT on Top Layer "VBAT_L01_P003" (solid, remove dead copper, pour order 8): 21.768,76.073 22.333,75.508 22.333,72.267 24.95,69.65 24.95,66.4 26.775,64.575 39.45,64.575 39.742,64.283 39.742,57.8 41.177,57.8 41.177,65.558 40.46,66.275 29,66.275 27.9,67.375 27.9,76.575 25.71,78.765 22.123,78.765 21.768,78.41
VBAT_IN on Top Layer "VBAT_IN_L01_P006" (solid, remove dead copper, pour order 6): 16.866,75.54 20.041,75.54 20.65,76.149 20.65,78.816 21.285,79.451 26.772,79.451 29.261,76.962 29.261,72.796 30.284,71.774 31.036,71.774 31.039,71.776 31.039,73.533 31.711,74.206 31.711,83.224 31.242,83.693 17.043,83.693 16.332,82.982 16.332,76.073
VBUS on Top Layer "VBUS_L01_P002" (solid, remove dead copper, pour order 2): 16.631,73.929 17.888,73.929 18.025,73.792 19.959,73.792 20.232,73.52 21.833,73.52 21.833,74.763 21.564,75.032 16.785,75.032 16.631,74.879
IN on Top Layer "IN_L01_P001" (solid, remove dead copper, pour order 1): 15.194,72.09 15.194,70.912 15.316,70.79 17.907,70.79 17.909,70.792 19.508,70.792 19.51,70.79 21.692,70.79 21.833,70.931 21.833,72.21 15.314,72.21
GND on Bottom Layer "GND_L02_P027" (solid, remove dead copper, pour order 27): -0.1,4.472 -0.1,86.843 cw(c1.17,86.843) 1.17,88.113 63.83,88.113 cw(c63.83,86.843) 65.1,86.843 65.1,4.472 cw(c63.83,4.472) 63.83,3.202 1.17,3.202 cw(c1.17,4.472)
VBUS on Bottom Layer "VBUS_L02_P007" (solid, remove dead copper, pour order 7): 19.665,73.792 25.858,73.792 28.726,70.924 28.726,68.974 29.025,68.675 31.075,68.675 31.219,68.819 31.219,71.456 27.2,75.475 19.725,75.475 19.405,75.155 19.405,74.053

## Keep-outs
Keep-Out Layer:
  lines w0.2: -0.1,4.472 ccw(c1.17,4.472) 1.17,3.202 2.36,3.202 63.83,3.202 ccw(c63.83,4.472) 65.1,4.472 65.1,86.843 ccw(c63.83,86.843) 63.83,88.113 1.17,88.113 ccw(c1.17,86.843) -0.1,86.843 -0.1,63.745 ccw(c1.17,63.745) 1.17,62.475 8.88,62.475 cw(c8.88,61.205) 10.15,61.205 10.15,44.62 cw(c8.88,44.62) 8.88,43.35 1.17,43.35 ccw(c1.17,42.08) -0.1,42.08 -0.1,4.472

## Other copper
Top Layer:
  rectangle net GND: 16,49.05 21.775,54.8

## Silkscreen, mask and mechanical layers (free items; w line width, h text height)
Top Overlay:
  drawing of 17 lines, arcs and shapes, not listed
  text "PAIRING" at 3.475,87.025 h1
  text "PWR" at 43.831,86.52 h1
  text "CHG" at 43.907,83.192 h1
  text "WAKEUP" at 3.475,81.183 h1
  text "CHG-FULL" at 43.907,79.89 h1
  text "-VE" at 34.356,78.112 h1 r90
  text "+VE" at 29.683,77.935 h1 r90
  text "RESET" at 3.653,75.316 h1
  text "ON" at 24.875,73.975 h3
  text "ESP32" at 0.825,63.5 h3
  text "Accelerometer" at 19.575,33.45 h2
  text "OLED DISPLAY" at 2.35,7.1 h3 r90
  text "Swarm M138" at 64.725,4.125 h3 r90
Bottom Overlay:
  drawing of 17 lines, arcs and shapes, not listed